# Altium PCB 19_2_Coupled_PP0.PcbDoc (part 2 of 5) (continued)
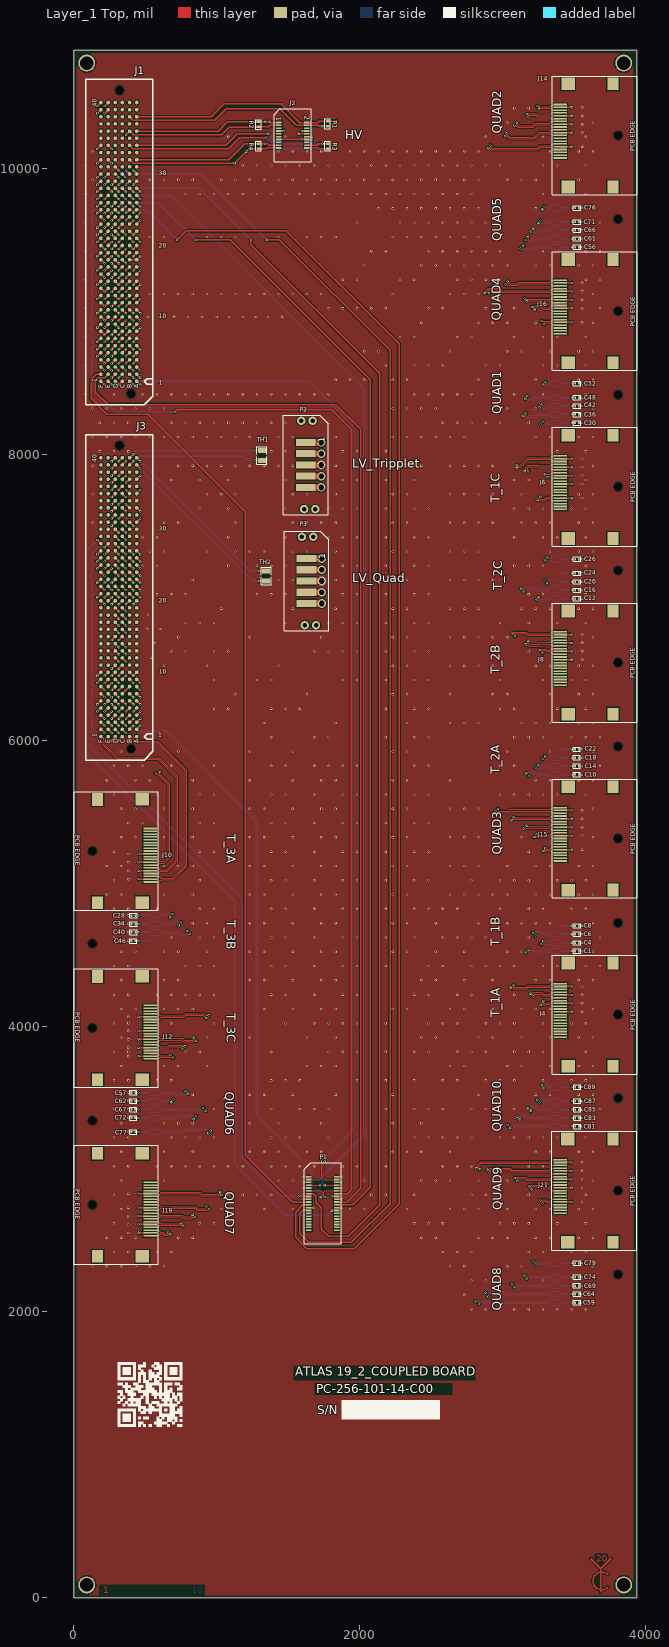
[diagram p0: Layer_1 Top view]
## Nets (pads, with @x,y where several pads share a name; then routed paths per layer and width w, separated by ;. In a path a pad name is that pad's centre, name@x,y a point inside that pad or via, vN(x,y) a via of type N, cw(c..) or ccw(c..) an arc to the next point about the centre after c; other vN are vias at no path point) (continued)
  other v2: 3555.35,2065.78 3555.35,2124.83 3555.35,2183.89 3555.35,2242.94 3555.35,2341.37 381.01,2552.38 381.01,2611.43 381.01,2670.49 381.01,2729.54 3555.35,2770.86 381.01,2827.97 3555.35,2869.28 3555.35,2928.34 3555.35,2987.39 3555.35,3046.45 381.01,3260.2 3556.91,3297.5 3556.91,3356.56 381.01,3358.62 3556.91,3415.61 381.01,3417.68 3556.91,3474.67 381.01,3476.73 381.01,3535.79 3556.91,3573.09 381.01,3789.19 381.01,3848.24 381.01,3907.3 381.01,3966.35 381.01,4064.78 3556.35,4100.28 3556.35,4159.34 3556.35,4218.39 3556.35,4277.45 3555.91,4523.53 3555.91,4582.58 381.01,4597.33 3555.91,4641.64 381.01,4656.39 3555.91,4700.69 381.01,4715.44 381.01,4774.5 381.01,5026.94 381.01,5085.99 381.01,5145.05 381.01,5204.1 3556.35,5233.86 3556.35,5332.28 3556.35,5391.34 3556.35,5450.39 3556.35,5509.45 3555.35,5758.5 3555.35,5817.56 3556.35,5876.61 3555.35,5935.67 3555.91,6562.28 3555.91,6621.34 3555.91,6680.39 3555.91,6739.45 3556.35,6989.5 3556.35,7048.56 3556.35,7107.61 3556.35,7166.67 3556.35,7265.09 3556.35,7693.86 3556.35,7792.28 3556.35,7851.34 3556.35,7910.39 3556.35,7969.45 3556.35,8218.5 3556.35,8277.56 3556.35,8336.61 3556.35,8395.67 3556.35,8494.09 3556.35,8922.86 3556.35,9021.28 3556.35,9080.34 3556.35,9139.39 3556.35,9198.45 3556.35,9447.55 3556.35,9506.61 3556.35,9565.66 3556.35,9624.72 3556.35,9723.14 3556,10151.41 3556,10249.83 3556,10308.89 3556,10367.94 3556,10427
  other v3: 1730.48,7924.98
HV_QUAD1: J1.A32 J2.17 J3.A31 R4.1 | length 1077.7
  Layer_1 Top w10: J3.A31@440,7525 v2(465,7550) ; J1.A32@440,10060 1084,10060 1197,10173 R4.1@1290.1,10173 ; R4.1@1293,10173 1334.55,10173 1334.94,10173.39 1339.94,10173.39 1340.33,10173 1357,10173 1367.9,10162.1 J2.17@1433.57,10162.1
  other v2: 1250.33,10173.39 1337.44,10173.39
HV_QUAD2: J1.A34 J2.18 J3.A33 R3.1 | length 1551.2
  Layer_1 Top w10: J3.A33@440,7625 v2(465,7600) ; J1.A34@440,10160 1062,10160 1143,10241 v2(1360,10241) ; J2.18@1630.43,10162.1 1703.52,10162.1 1714.42,10173 v2(1741,10173) R3.1@1776,10173 R3.1@1779,10173
  Layer_10 Bottom w10: v2(1360,10241) 1428,10173 v2(1741,10173)
HV_QUAD3: J1.B32 J2.19 J3.B31 R4.2 | length 1130.9
  Layer_1 Top w10: J3.B31@390,7524.5 v2(415,7499.5) ; J1.B32@390,10060 415,10035 v2(1124.95,10035.01) v2(1206.13,10116.19) 1226.95,10137 R4.2@1290.1,10137 ; R4.2@1293,10137 1346,10137 1351.42,10142.42 J2.19@1433.57,10142.42
HV_QUAD4: J1.B34 J2.20 J3.B33 R3.2 | length 1734.7
  Layer_1 Top w10: v2(365,7650) J3.B33@390,7625 ; J1.B34@390,10160 413,10137 1083,10137 1161,10215 v2(1346,10215) ; J2.20@1630.43,10142.42 1706,10142.42 1710.42,10138 1775,10138 R3.2@1776,10137 ; R3.2@1776,10138 v2(1808,10138) v2(1835,10138)
  Layer_10 Bottom w10: v2(1346,10215) 1424,10137 1425,10138 v2(1808,10138)
HV_Quad_rtn: J1.E32 J1.E34 J2.12 J2.13 J2.14 | length 335.2
  Layer_1 Top w10: J1.E34@240,10160 v2(265,10135) ; J1.E32@240,10060 v2(265,10035.01) ; J2.13@1433.57,10201.47 J2.14@1630.43,10201.47 1630.53,10201.47 1631,10201 v2(1664.43,10201) ; J2.12@1631,10221.16 v2(1664.43,10221.16)
  other v2: 1596.16,10201.95
HV_TRIPLET1: J1.A36 J2.1 J3.A35 R2.1 | length 1070.5
  Layer_1 Top w10: J3.A35@440,7725 v2(465,7750) ; J1.A36@440,10260 1010,10260 1075,10325 R2.1@1292,10325 1349.86,10325 ; v2(1337.44,10325) 1349.86,10325 ; J2.1@1433.57,10319.58 1380.73,10319.58 1374.25,10319.58 1368.84,10325 1349.86,10325
  other v2: 1368.41,10324.74
HV_TRIPLET2: J1.A38 J2.2 J3.A37 R1.1 | length 1526
  Layer_1 Top w10: J3.A37@440,7825 v2(465,7850) ; J1.A38@440,10360 960,10360 1050,10450 1450,10450 1580.42,10319.58 J2.2@1630.43,10319.58 1706,10319.58 1716.42,10330 R1.1@1776,10330 v2(1810,10330) v2(1835,10330)
HV_TRIPLET3: J1.B36 J2.3 J3.B35 R2.2 | length 1152.5
  Layer_1 Top w10: v2(365,7750) J3.B35@390,7725 ; v2(365,10235) J1.B36@390,10260 416,10234 1036,10234 1089,10287 R2.2@1293,10287 ; R2.2@1292,10289 1293,10290 1365.42,10290 1375.32,10299.9 J2.3@1433.57,10299.9
HV_TRIPLET4: J1.B38 J2.4 J3.B37 R1.2 | length 1515.1
  Layer_1 Top w10: v2(365,7800) J3.B37@390,7825 ; J1.B38@390,10360 414,10336 985,10336 1065,10416 1438.95,10416 1555.05,10299.9 J2.4@1630.43,10299.9 1630.53,10300 1706,10300 1712,10294 R1.2@1776,10294
  other v2: 1738,10294
HV_TRIPLET_rtn: J1.F32 J1.F34 J2.7 J2.8 J2.10 | length 193.8
  Layer_1 Top w10: v2(165,10035) J1.F32@190,10060 ; v2(165,10135) J1.F34@190,10160 ; J2.7@1435,10261 v1(1468.43,10261) ; v1(1574,10240.84) 1629.84,10240.84 J2.10@1630,10241 ; v1(1597,10260) 1629.9,10260 J2.8@1630.43,10260.53
Interlock_Q: J3.F28 P1.26 | length 5740.6
  Layer_1 Top w10: v2(165,7400) J3.F28@190,7375 ; v2(1805,2709) 1806.86,2709 1807.86,2708 1809.79,2709.93 P1.26@1840.18,2709.93
  Layer_10 Bottom w10: v2(165,7400) 83,7318 83,5913 1129,4867 1129,3031 1479,2681 1777,2681 v2(1805,2709)
Interlock_T: J1.D31 P1.25 | length 9397.5
  Layer_1 Top w10: J1.D31@290,10010 v2(315,9985) ; v2(1345.38,9500) 1438.03,9500 2212,8726.03 2212,2758 1941,2487 1645,2487 1582,2550 1582,2686 1605.93,2709.93 P1.25@1643.33,2709.93
  Layer_10 Bottom w10: v2(315,9985) 340,9960 885.38,9960 v2(1345.38,9500)
LP_mode1: J1.E2 P1.20 | length 7666
  Layer_1 Top w10: J1.E2@240,8560 215,8535 171.26,8535 151,8514.74 151,8435 240,8346 1834,8346 2007,8173 2007,2865.98 1910.01,2768.99 P1.20@1840.18,2768.99
LP_mode2: J1.F2 P1.19 | length 6703.6
  Layer_1 Top w10: J1.F2@190,8560 156,8560 121,8525 121,8391 232,8280 517.26,8280 1199,7598.26 1199,3100 1530.01,2768.99 P1.19@1643.33,2768.99
LP_mode3: J1.C27 P1.22 | length 8203
  Layer_1 Top w10: J1.C27@340,9810 v2(365,9785) ; v2(853,9499) 1096,9499 2075,8520 2075,2872 1952.3,2749.3 P1.22@1840.18,2749.3
  Layer_10 Bottom w10: v2(365,9785) 390,9760 592,9760 v2(853,9499)
LP_mode4: J1.D27 P1.21 | length 9678.7
  Layer_1 Top w10: J1.D27@290,9810 v2(315,9785) ; v2(722.5,9500) 785.5,9563 1485.03,9563 2275,8773.03 2275,2756 1963,2444 1628.5,2444 1551,2521.5 1551,2698.33 1601.97,2749.3 P1.21@1643.33,2749.3
  Layer_10 Bottom w10: v2(315,9785) 340,9760 340,9727 357,9710 512.5,9710 v2(722.5,9500)
LV_in_out_Q: J3.E6 J3.E26 J3.E27 J3.F6 J3.F26 J3.F27 P3.1 P3.2 | length 427.1
  Layer_1 Top w10: v2(165,6250) J3.F6@190,6275 ; v2(165,7250) J3.F26@190,7275 ; v2(165,7300) J3.F27@190,7325 ; v2(215,6250) J3.E6@240,6275 ; v2(215,7250) J3.E26@240,7275 ; v2(215,7300) J3.E27@240,7325
  Layer_1 Top w40: P3.2@1627.39,7191.87 v3(1734.89,7191.87) ; P3.1@1627.39,7270.61 v3(1734.89,7270.61)
LV_in_out_T: J1.A6 J1.B6 J1.E26 J1.F26 J1.F39 J1.F40 P2.1 P2.2 | length 427.1
  Layer_1 Top w10: v2(165,9735) J1.F26@190,9760 ; v2(165,10385) J1.F39@190,10410 ; v2(165,10435) J1.F40@190,10460 ; v2(215,9735) J1.E26@240,9760 ; J1.B6@390,8760 v2(415,8735) ; J1.A6@440,8760 v2(465,8735)
  Layer_1 Top w40: P2.2@1627.97,8003.72 v3@1735.48,8003.72 ; P2.1@1627.97,8082.46 v3@1735.48,8082.46
  other v3: 1730.48,8003.72 1730.48,8082.46
LV_rtn_out_Q: J3.A6 J3.A26 J3.A27 J3.B6 J3.B26 J3.B27 P3.4 P3.5 | length 433.1
  Layer_1 Top w10: J3.B6@390,6275 v2(415,6250) ; J3.B26@390,7275 413.85,7251.15 413.85,7248.15 v2(415,7247) ; J3.B27@390,7325 v2(415,7300) ; J3.A6@440,6275 v2(465,6250) ; J3.A26@440,7275 463.85,7251.15 463.85,7248.15 v2(465,7247) ; J3.A27@440,7325 v2(465,7300)
  Layer_1 Top w40: P3.5@1627.39,6955.65 v3(1734.89,6955.65) ; P3.4@1627.39,7034.39 v3(1734.89,7034.39)
LV_rtn_out_T: J1.A26 J1.B26 J1.E6 J1.E39 J1.E40 J1.F6 P2.4 P2.5 | length 427.1
  Layer_1 Top w10: v2(165,8735) J1.F6@190,8760 ; v2(215,8735) J1.E6@240,8760 ; v2(215,10385) J1.E39@240,10410 ; v2(215,10435) J1.E40@240,10460 ; J1.B26@390,9760 v2(415,9735) ; J1.A26@440,9760 v2(465,9735)
  Layer_1 Top w40: P2.5@1627.97,7767.5 v3@1735.48,7767.5 ; P2.4@1627.97,7846.24 v3@1735.48,7846.24
  other v3: 1730.48,7767.5 1730.48,7846.24
NetC1_2: C1.2 J5.2 | length 105
  Layer_1 Top w9: v2(3483.91,4524.53) 3506.46,4524.53 C1.2@3506.91,4524.08
  Layer_10 Bottom w9: J5.2@3402.28,4524.15 3483.54,4524.15 v2(3483.91,4524.53)
NetC2_2: C2.2 J4.2 | length 105
  Layer_1 Top w9: J4.2@3402.71,4276.83 3483.97,4276.83 v2(3484.35,4276.45)
  Layer_10 Bottom w9: v2(3484.35,4276.45) 3506.9,4276.45 C2.2@3507.35,4276.9
NetC3_2: C3.2 J4.5 | length 105
  Layer_1 Top w9: J4.5@3402.71,4217.77 3483.97,4217.77 v2(3484.35,4217.39)
  Layer_10 Bottom w9: v2(3484.35,4217.39) 3506.9,4217.39 C3.2@3507.35,4217.84
NetC4_2: C4.2 J5.5 | length 105
  Layer_1 Top w9: v2(3483.91,4583.58) 3506.46,4583.58 C4.2@3506.91,4583.13
  Layer_10 Bottom w9: J5.5@3402.28,4583.2 3483.54,4583.2 v2(3483.91,4583.58)
NetC5_2: C5.2 J4.8 | length 105
  Layer_1 Top w9: J4.8@3402.71,4158.72 3483.97,4158.72 v2(3484.35,4158.34)
  Layer_10 Bottom w9: v2(3484.35,4158.34) 3506.9,4158.34 C5.2@3507.35,4158.79
NetC6_2: C6.2 J5.8 | length 105
  Layer_1 Top w9: v2(3483.91,4642.64) 3506.46,4642.64 C6.2@3506.91,4642.19
  Layer_10 Bottom w9: J5.8@3402.28,4642.26 3483.54,4642.26 v2(3483.91,4642.64)
NetC7_2: C7.2 J4.11 | length 105
  Layer_1 Top w9: J4.11@3402.71,4099.66 3483.97,4099.66 v2(3484.35,4099.28)
  Layer_10 Bottom w9: v2(3484.35,4099.28) 3506.9,4099.28 C7.2@3507.35,4099.73
NetC8_2: C8.2 J5.11 | length 105
  Layer_1 Top w9: v2(3483.91,4701.69) 3506.46,4701.69 C8.2@3506.91,4701.24
  Layer_10 Bottom w9: J5.11@3402.28,4701.31 3483.54,4701.31 v2(3483.91,4701.69)
NetC9_2: C9.2 J6.2 | length 105
  Layer_1 Top w9: J6.2@3402.71,7968.83 3483.97,7968.83 v2(3484.35,7968.45)
  Layer_10 Bottom w9: v2(3484.35,7968.45) 3506.9,7968.45 C9.2@3507.35,7968.9
NetC10_2: C10.2 J7.2 | length 105
  Layer_1 Top w9: v2(3483.35,5759.5) 3505.9,5759.5 C10.2@3506.35,5759.06
  Layer_10 Bottom w9: J7.2@3401.71,5759.13 3482.97,5759.13 v2(3483.35,5759.5)
NetC11_2: C11.2 J8.2 | length 105
  Layer_1 Top w9: J8.2@3402.28,6738.83 3483.54,6738.83 v2(3483.91,6738.45)
  Layer_10 Bottom w9: v2(3483.91,6738.45) 3506.46,6738.45 C11.2@3506.91,6738.9
NetC12_2: C12.2 J9.2 | length 105
  Layer_1 Top w9: v2(3484.35,6990.5) 3506.9,6990.5 C12.2@3507.35,6990.06
  Layer_10 Bottom w9: J9.2@3402.71,6990.13 3483.97,6990.13 v2(3484.35,6990.5)
NetC13_2: C13.2 J6.5 | length 105
  Layer_1 Top w9: J6.5@3402.71,7909.77 3483.97,7909.77 v2(3484.35,7909.39)
  Layer_10 Bottom w9: v2(3484.35,7909.39) 3506.9,7909.39 C13.2@3507.35,7909.84
NetC14_2: C14.2 J7.5 | length 105
  Layer_1 Top w9: v2(3483.35,5818.56) 3505.9,5818.56 C14.2@3506.35,5818.11
  Layer_10 Bottom w9: J7.5@3401.71,5818.18 3482.97,5818.18 v2(3483.35,5818.56)
NetC15_2: C15.2 J8.5 | length 105
  Layer_1 Top w9: J8.5@3402.28,6679.77 3483.54,6679.77 v2(3483.91,6679.39)
  Layer_10 Bottom w9: v2(3483.91,6679.39) 3506.46,6679.39 C15.2@3506.91,6679.84
NetC16_2: C16.2 J9.5 | length 105
  Layer_1 Top w9: v2(3484.35,7049.56) 3506.9,7049.56 C16.2@3507.35,7049.11
  Layer_10 Bottom w9: J9.5@3402.71,7049.18 3483.97,7049.18 v2(3484.35,7049.56)
NetC17_2: C17.2 J6.8 | length 105
  Layer_1 Top w9: J6.8@3402.71,7850.72 3483.97,7850.72 v2(3484.35,7850.34)
  Layer_10 Bottom w9: v2(3484.35,7850.34) 3506.9,7850.34 C17.2@3507.35,7850.79
NetC18_2: C18.2 J7.8 | length 105
  Layer_1 Top w9: v2(3484.35,5877.61) 3506.9,5877.61 C18.2@3507.35,5877.17
  Layer_10 Bottom w9: J7.8@3402.71,5877.24 3483.97,5877.24 v2(3484.35,5877.61)
NetC19_2: C19.2 J8.8 | length 105
  Layer_1 Top w9: J8.8@3402.28,6620.72 3483.54,6620.72 v2(3483.91,6620.34)
  Layer_10 Bottom w9: v2(3483.91,6620.34) 3506.46,6620.34 C19.2@3506.91,6620.79
NetC20_2: C20.2 J9.8 | length 105
  Layer_1 Top w9: v2(3484.35,7108.61) 3506.9,7108.61 C20.2@3507.35,7108.17
  Layer_10 Bottom w9: J9.8@3402.71,7108.24 3483.97,7108.24 v2(3484.35,7108.61)
NetC21_2: C21.2 J6.11 | length 105
  Layer_1 Top w9: J6.11@3402.71,7791.66 3483.97,7791.66 v2(3484.35,7791.28)
  Layer_10 Bottom w9: v2(3484.35,7791.28) 3506.9,7791.28 C21.2@3507.35,7791.73
NetC22_2: C22.2 J7.11 | length 105
  Layer_1 Top w9: v2(3483.35,5936.67) 3505.9,5936.67 C22.2@3506.35,5936.22
  Layer_10 Bottom w9: J7.11@3401.71,5936.29 3482.97,5936.29 v2(3483.35,5936.67)
NetC23_2: C23.2 J8.11 | length 105
  Layer_1 Top w9: J8.11@3402.28,6561.66 3483.54,6561.66 v2(3483.91,6561.28)
  Layer_10 Bottom w9: v2(3483.91,6561.28) 3506.46,6561.28 C23.2@3506.91,6561.73
NetC24_2: C24.2 J9.11 | length 105
  Layer_1 Top w9: v2(3484.35,7167.67) 3506.9,7167.67 C24.2@3507.35,7167.22
  Layer_10 Bottom w9: J9.11@3402.71,7167.29 3483.97,7167.29 v2(3484.35,7167.67)
NetC25_2: C25.2 J6.16 | length 105
  Layer_1 Top w9: J6.16@3402.71,7693.24 3483.97,7693.24 v2(3484.35,7692.86)
  Layer_10 Bottom w9: v2(3484.35,7692.86) 3506.9,7692.86 C25.2@3507.35,7693.31
NetC26_2: C26.2 J9.16 | length 105
  Layer_1 Top w9: v2(3484.35,7266.09) 3506.9,7266.09 C26.2@3507.35,7265.65
  Layer_10 Bottom w9: J9.16@3402.71,7265.72 3483.97,7265.72 v2(3484.35,7266.09)
NetC27_2: C27.2 J10.2 | length 105
  Layer_1 Top w9: v2(453.01,5027.94) 453.39,5027.56 J10.2@534.65,5027.56
  Layer_10 Bottom w9: C27.2@430.01,5027.49 430.46,5027.94 v2(453.01,5027.94)
NetC28_2: C28.2 J11.2 | length 105
  Layer_1 Top w9: C28.2@430.01,4773.94 430.46,4773.5 v2(453.01,4773.5)
  Layer_10 Bottom w9: v2(453.01,4773.5) 453.39,4773.87 J11.2@534.65,4773.87
NetC29_2: C29.2 J12.2 | length 105
  Layer_1 Top w9: v2(453.01,3790.19) 453.39,3789.81 J12.2@534.65,3789.81
  Layer_10 Bottom w9: C29.2@430.01,3789.74 430.46,3790.19 v2(453.01,3790.19)
NetC30_2: C30.2 J13.2 | length 105
  Layer_1 Top w9: v2(3484.35,8219.5) 3506.9,8219.5 C30.2@3507.35,8219.06
  Layer_10 Bottom w9: J13.2@3402.71,8219.13 3483.97,8219.13 v2(3484.35,8219.5)
NetC31_2: C31.2 J14.2 | length 105
  Layer_1 Top w9: J14.2@3402.36,10426.38 3483.62,10426.38 v2(3484,10426)
  Layer_10 Bottom w9: v2(3484,10426) 3506.55,10426 C31.2@3507,10426.45
NetC32_2: C32.2 J15.2 | length 105
  Layer_1 Top w9: J15.2@3402.71,5508.83 3483.97,5508.83 v2(3484.35,5508.45)
  Layer_10 Bottom w9: v2(3484.35,5508.45) 3506.9,5508.45 C32.2@3507.35,5508.9
NetC33_2: C33.2 J10.5 | length 105
  Layer_1 Top w9: v2(453.01,5086.99) 453.39,5086.61 J10.5@534.65,5086.61
  Layer_10 Bottom w9: C33.2@430.01,5086.54 430.46,5086.99 v2(453.01,5086.99)
NetC34_2: C34.2 J11.5 | length 105
  Layer_1 Top w9: C34.2@430.01,4714.89 430.46,4714.44 v2(453.01,4714.44)
  Layer_10 Bottom w9: v2(453.01,4714.44) 453.39,4714.82 J11.5@534.65,4714.82
NetC35_2: C35.2 J12.5 | length 105
  Layer_1 Top w9: v2(453.01,3849.24) 453.39,3848.87 J12.5@534.65,3848.87
  Layer_10 Bottom w9: C35.2@430.01,3848.8 430.46,3849.24 v2(453.01,3849.24)
NetC36_2: C36.2 J13.5 | length 105
  Layer_1 Top w9: v2(3484.35,8278.56) 3506.9,8278.56 C36.2@3507.35,8278.11
  Layer_10 Bottom w9: J13.5@3402.71,8278.18 3483.97,8278.18 v2(3484.35,8278.56)
NetC37_2: C37.2 J14.5 | length 105
  Layer_1 Top w9: J14.5@3402.36,10367.32 3483.62,10367.32 v2(3484,10366.94)
  Layer_10 Bottom w9: v2(3484,10366.94) 3506.55,10366.94 C37.2@3507,10367.39
NetC38_2: C38.2 J15.5 | length 105
  Layer_1 Top w9: J15.5@3402.71,5449.77 3483.97,5449.77 v2(3484.35,5449.39)
  Layer_10 Bottom w9: v2(3484.35,5449.39) 3506.9,5449.39 C38.2@3507.35,5449.84
NetC39_2: C39.2 J10.8 | length 105
  Layer_1 Top w9: v2(453.01,5146.05) 453.39,5145.67 J10.8@534.65,5145.67
  Layer_10 Bottom w9: C39.2@430.01,5145.6 430.46,5146.05 v2(453.01,5146.05)
NetC40_2: C40.2 J11.8 | length 105
  Layer_1 Top w9: C40.2@430.01,4655.83 430.46,4655.39 v2(453.01,4655.39)
  Layer_10 Bottom w9: v2(453.01,4655.39) 453.39,4655.76 J11.8@534.65,4655.76
NetC41_2: C41.2 J12.8 | length 105
  Layer_1 Top w9: v2(453.01,3908.3) 453.39,3907.92 J12.8@534.65,3907.92
  Layer_10 Bottom w9: C41.2@430.01,3907.85 430.46,3908.3 v2(453.01,3908.3)
NetC42_2: C42.2 J13.8 | length 105
  Layer_1 Top w9: v2(3484.35,8337.61) 3506.9,8337.61 C42.2@3507.35,8337.17
  Layer_10 Bottom w9: J13.8@3402.71,8337.24 3483.97,8337.24 v2(3484.35,8337.61)
NetC43_2: C43.2 J14.8 | length 105
  Layer_1 Top w9: J14.8@3402.36,10308.27 3483.62,10308.27 v2(3484,10307.89)
  Layer_10 Bottom w9: v2(3484,10307.89) 3506.55,10307.89 C43.2@3507,10308.33
NetC44_2: C44.2 J15.8 | length 105
  Layer_1 Top w9: J15.8@3402.71,5390.72 3483.97,5390.72 v2(3484.35,5390.34)
  Layer_10 Bottom w9: v2(3484.35,5390.34) 3506.9,5390.34 C44.2@3507.35,5390.79
NetC45_2: C45.2 J10.11 | length 105
  Layer_1 Top w9: v2(453.01,5205.1) 453.39,5204.72 J10.11@534.65,5204.72
  Layer_10 Bottom w9: C45.2@430.01,5204.65 430.46,5205.1 v2(453.01,5205.1)
NetC46_2: C46.2 J11.11 | length 105
  Layer_1 Top w9: C46.2@430.01,4596.78 430.46,4596.33 v2(453.01,4596.33)
  Layer_10 Bottom w9: v2(453.01,4596.33) 453.39,4596.71 J11.11@534.65,4596.71
NetC47_2: C47.2 J12.11 | length 105
  Layer_1 Top w9: v2(453.01,3967.35) 453.39,3966.98 J12.11@534.65,3966.98
  Layer_10 Bottom w9: C47.2@430.01,3966.91 430.46,3967.35 v2(453.01,3967.35)
NetC48_2: C48.2 J13.11 | length 105
  Layer_1 Top w9: v2(3484.35,8396.67) 3506.9,8396.67 C48.2@3507.35,8396.22
  Layer_10 Bottom w9: J13.11@3402.71,8396.29 3483.97,8396.29 v2(3484.35,8396.67)
NetC49_2: C49.2 J14.11 | length 106.1
  Layer_1 Top w9: J14.11@3402.36,10249.21 3483.62,10249.21 v2(3484,10248.83)
  Layer_10 Bottom w9: v2(3484,10248.83) 3506.55,10248.83 C49.2@3507,10249.28
  Layer_10 Bottom w10: C49.2@3506.21,10250 C49.2@3507,10249.22
NetC50_2: C50.2 J15.11 | length 105
  Layer_1 Top w9: J15.11@3402.71,5331.66 3483.97,5331.66 v2(3484.35,5331.28)
  Layer_10 Bottom w9: v2(3484.35,5331.28) 3506.9,5331.28 C50.2@3507.35,5331.73
NetC51_2: C51.2 J12.16 | length 105
  Layer_1 Top w9: v2(453.01,4065.78) 453.39,4065.4 J12.16@534.65,4065.4
  Layer_10 Bottom w9: C51.2@430.01,4065.33 430.46,4065.78 v2(453.01,4065.78)
NetC52_2: C52.2 J13.16 | length 105
  Layer_1 Top w9: v2(3484.35,8495.09) 3506.9,8495.09 C52.2@3507.35,8494.65
  Layer_10 Bottom w9: J13.16@3402.71,8494.72 3483.97,8494.72 v2(3484.35,8495.09)
NetC53_2: C53.2 J14.16 | length 105
  Layer_1 Top w9: J14.16@3402.36,10150.79 3483.62,10150.79 v2(3484,10150.41)
  Layer_10 Bottom w9: v2(3484,10150.41) 3506.55,10150.41 C53.2@3507,10150.86
NetC54_2: C54.2 J15.16 | length 105
  Layer_1 Top w9: J15.16@3402.71,5233.24 3483.97,5233.24 v2(3484.35,5232.86)
  Layer_10 Bottom w9: v2(3484.35,5232.86) 3506.9,5232.86 C54.2@3507.35,5233.31
NetC55_2: C55.2 J16.2 | length 105
  Layer_1 Top w9: J16.2@3402.71,9197.83 3483.97,9197.83 v2(3484.35,9197.45)
  Layer_10 Bottom w9: v2(3484.35,9197.45) 3506.9,9197.45 C55.2@3507.35,9197.9
NetC56_2: C56.2 J17.2 | length 105
  Layer_1 Top w9: v2(3484.35,9448.55) 3506.9,9448.55 C56.2@3507.35,9448.1
  Layer_10 Bottom w9: J17.2@3402.71,9448.17 3483.97,9448.17 v2(3484.35,9448.55)
NetC57_2: C57.2 J18.2 | length 105
  Layer_1 Top w9: C57.2@430.01,3535.24 430.46,3534.79 v2(453.01,3534.79)
  Layer_10 Bottom w9: v2(453.01,3534.79) 453.39,3535.17 J18.2@534.65,3535.17
NetC58_2: C58.2 J19.2 | length 105
  Layer_1 Top w9: v2(453.01,2553.38) 453.39,2553 J19.2@534.65,2553
  Layer_10 Bottom w9: C58.2@430.01,2552.93 430.46,2553.38 v2(453.01,2553.38)
NetC59_2: C59.2 J20.2 | length 105
  Layer_1 Top w9: v2(3483.35,2066.78) 3505.9,2066.78 C59.2@3506.35,2066.33
  Layer_10 Bottom w9: J20.2@3401.71,2066.4 3482.97,2066.4 v2(3483.35,2066.78)
NetC60_2: C60.2 J16.5 | length 105
  Layer_1 Top w9: J16.5@3402.71,9138.77 3483.97,9138.77 v2(3484.35,9138.39)
  Layer_10 Bottom w9: v2(3484.35,9138.39) 3506.9,9138.39 C60.2@3507.35,9138.84
NetC61_2: C61.2 J17.5 | length 105
  Layer_1 Top w9: v2(3484.35,9507.61) 3506.9,9507.61 C61.2@3507.35,9507.16
  Layer_10 Bottom w9: J17.5@3402.71,9507.23 3483.97,9507.23 v2(3484.35,9507.61)
NetC62_2: C62.2 J18.5 | length 105
  Layer_1 Top w9: C62.2@430.01,3476.18 430.46,3475.73 v2(453.01,3475.73)
  Layer_10 Bottom w9: v2(453.01,3475.73) 453.39,3476.11 J18.5@534.65,3476.11
NetC63_2: C63.2 J19.5 | length 105
  Layer_1 Top w9: v2(453.01,2612.43) 453.39,2612.06 J19.5@534.65,2612.06
  Layer_10 Bottom w9: C63.2@430,2611.99 430.46,2612.43 v2(453.01,2612.43)
NetC64_2: C64.2 J20.5 | length 105
  Layer_1 Top w9: v2(3483.35,2125.83) 3505.9,2125.83 C64.2@3506.35,2125.38
  Layer_10 Bottom w9: J20.5@3401.71,2125.45 3482.97,2125.45 v2(3483.35,2125.83)
NetC65_2: C65.2 J16.8 | length 105
  Layer_1 Top w9: J16.8@3402.71,9079.72 3483.97,9079.72 v2(3484.35,9079.34)
  Layer_10 Bottom w9: v2(3484.35,9079.34) 3506.9,9079.34 C65.2@3507.35,9079.79
NetC66_2: C66.2 J17.8 | length 105
  Layer_1 Top w9: v2(3484.35,9566.66) 3506.9,9566.66 C66.2@3507.35,9566.21
  Layer_10 Bottom w9: J17.8@3402.71,9566.28 3483.97,9566.28 v2(3484.35,9566.66)